# Altium PCB StEth32_modLED.PcbDoc
Units mil, origin at the board's own origin, x right, y up, seen from the top; angles counter-clockwise.
Board outline 3937.01 x 3937.01 mil, 2 copper layers (Top Layer, Bottom Layer), stack 62.17 mil thick; 83 components, 67 nets, 324 pads, 84 vias.
Unrouted connection lines stored in the file: 62.
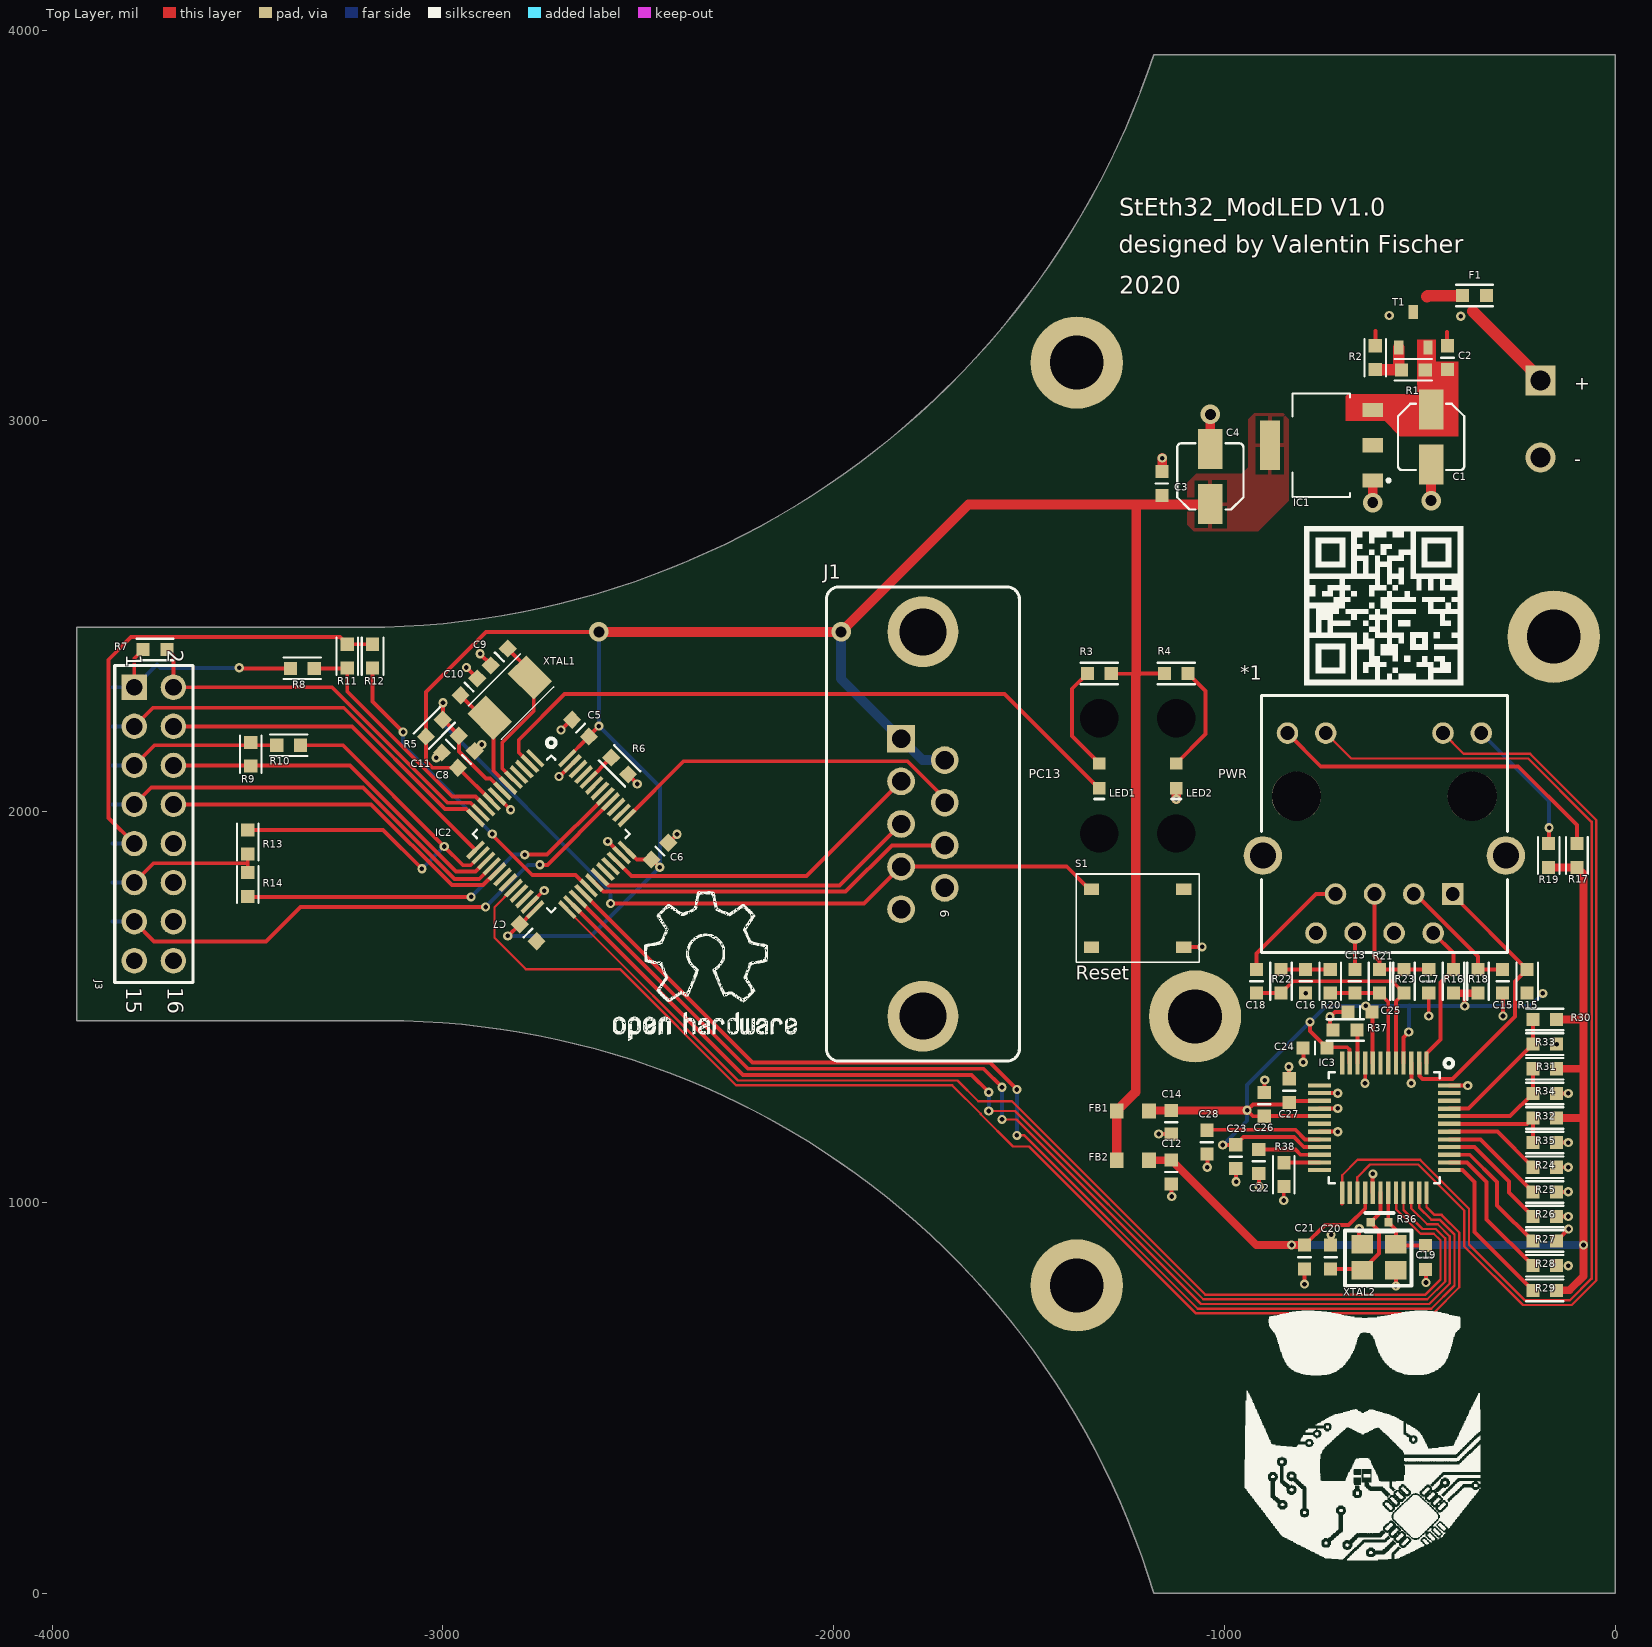
[diagram p0: Top Layer view]
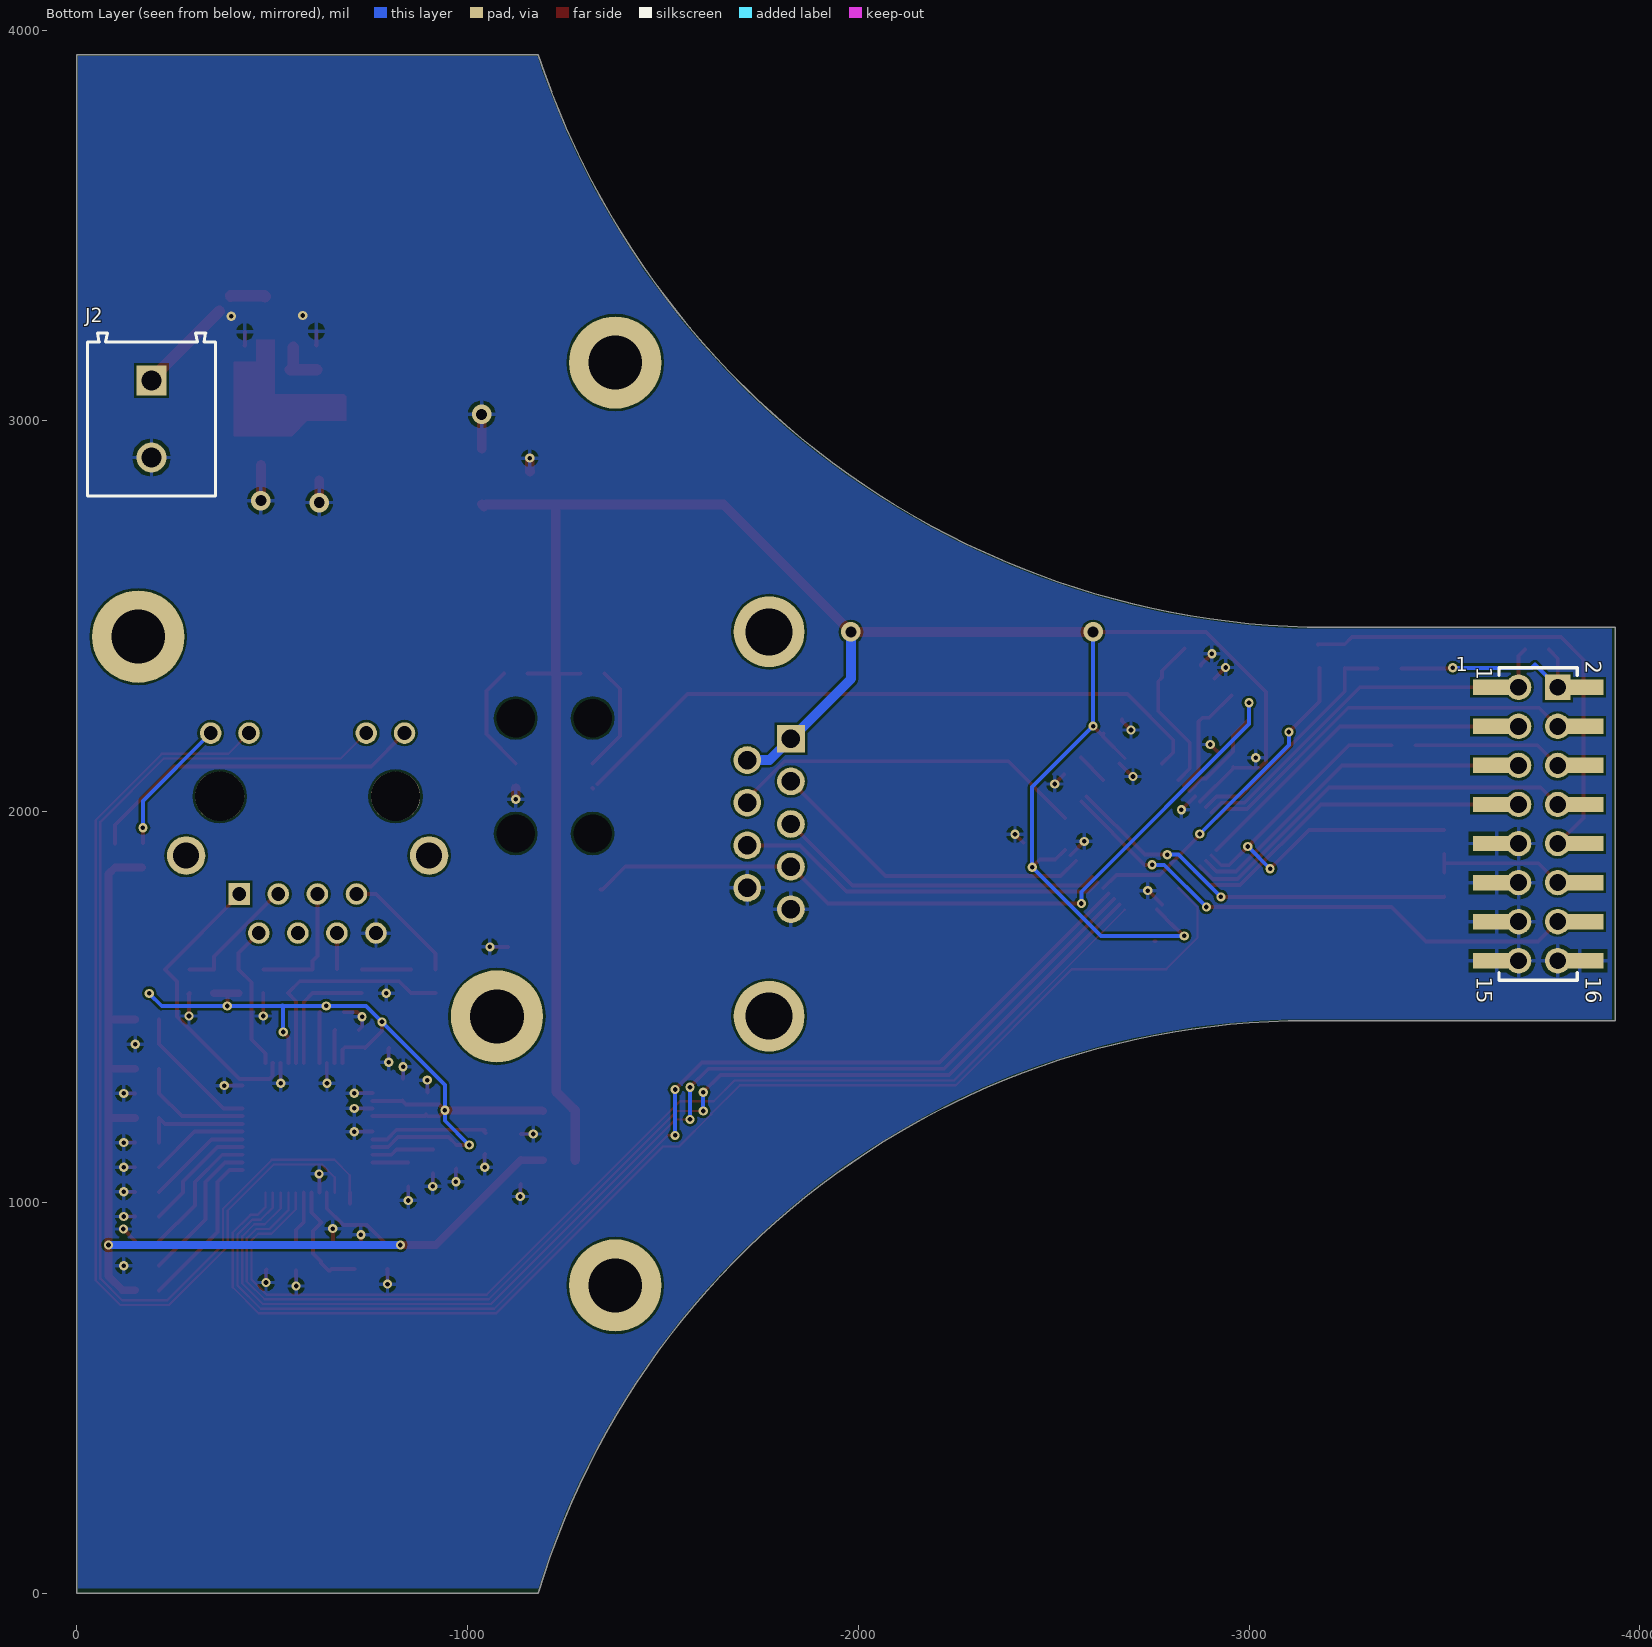
[diagram p1: Bottom Layer view, seen from below]
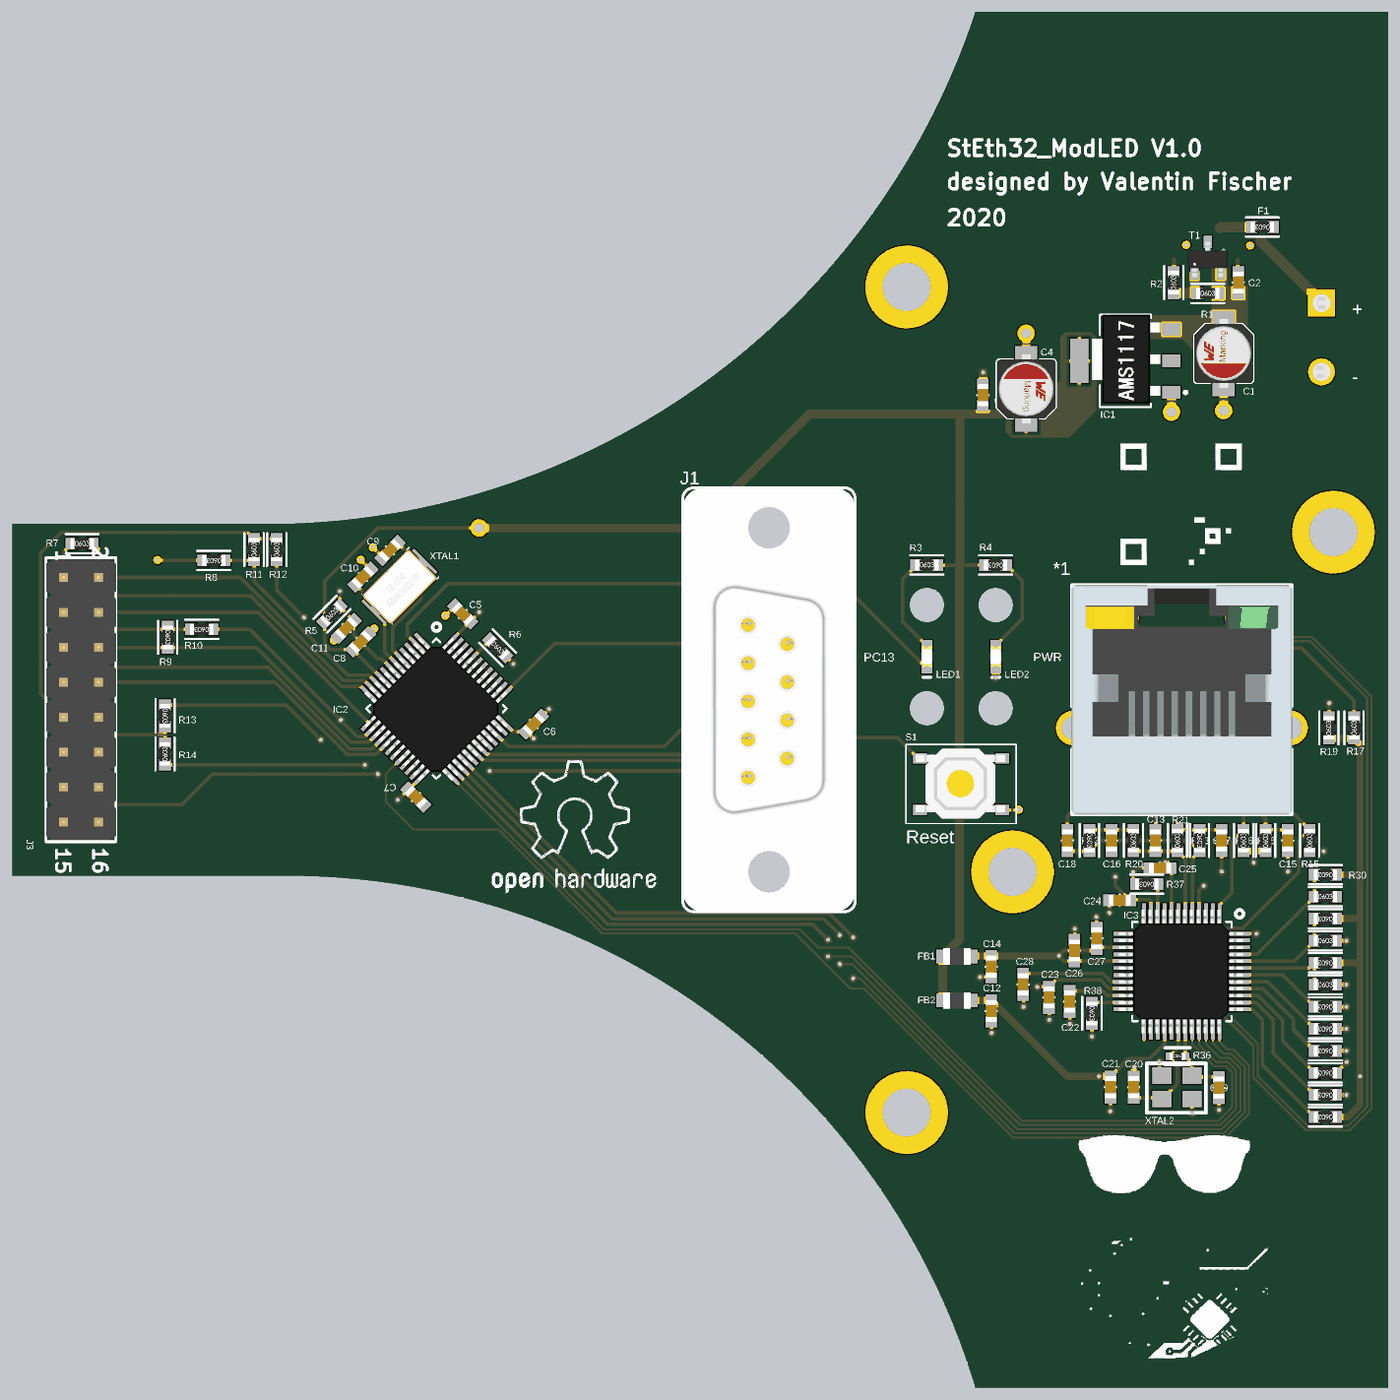
[diagram p2: 3D render of the assembled board from above, using the file's embedded part models]

## Layer stack, top to bottom
Top Solder: solder mask 0.4, Solder Resist, Dk 3.5
Top Layer: signal copper 1.4
Dielectric 1: dielectric 59.3701, FR-4, Dk 4.8
Bottom Layer: signal copper 1.4
Bottom Solder: solder mask 0.4, Solder Resist, Dk 3.5

## Board outline
-3937.01,1464.96 -3937.01,2472.05 -3149.61,2472.05 ccw(c-3208.01,4605.57) -1181.1,3937.01 0,3937.01 0,0 -1181.1,0 ccw(c-3149.61,-590.08) -3149.61,1464.96

## Design rules (kind name [scope] priority, off if disabled: settings)
Clearance [All] p1: gap=6 ignorepadtopadclearanceinfootprint=FALSE except(0: Arc-Hole Track-Hole SMDPad-Hole THPad-Hole Via-Hole Fill-Hole Poly-Hole Region-Hole Text-Hole)
MinimumSolderMaskSliver [All] p1: minsoldermaskwidth=3
PolygonConnect [All] p1: connectstyle=Relief reliefconductorwidth=10 reliefentries=4 polygonreliefangle="90 Angle" airgapwidth=10
RoomDefinition StEth32_modLED_Main [InComponentClass('StEth32_modLED_Main')] p1: confinementstyle=ConfineIn formatcopy=TRUE lockcomponents=FALSE outline -5577.26,-1745.25 -3577.26,-1745.25 -3577.26,-745.25 -5577.26,-745.25
RoutingVias [All] p1: holewidth=28 width=50 viastyle="Through Hole" minholewidth=28 minwidth=50 maxholewidth=28 maxwidth=50
SilkToSilkClearance [All] p1: silktosilkclearance=3
SilkToSolderMaskClearance [IsPad] p1: minsilkscreentomaskgap=6 clearancetoexposedcopper=TRUE
SolderMaskExpansion [All] p1: expansion=4
Width [All] p1: maxlimit=100 minlimit=6 preferedwidth=10 minimp=50.000000 maximp=50.000000 favimp=50.000000
27 further rules are at their usual default settings.

## Classes and differential pairs
component class StEth32_modLED_W5500: *1 C9 C13 C14 C15 C16 C19 C22 C25 C28 FB1 FB2 IC3 R9 R10 R11 R12 R13 R14 R15 R18 R19 R20 R22 R25 R26 R28 R29 R31 XTAL2 Y1
component class StEth32_modLED_Main: 1 C1 C2 C3 C5 C7 C9 C19 F1 IC1 IC2 J1 J2 J3 LED1 LED2 R1 R2 R3 R5 R6 R7 R9 R11 R12 R13 R14 R22 R25 S1 T1 XTAL2

## Components (designator, comment, footprint, x,y, rotation, side; value= is the part's Value field where it differs from the comment)
1 "2.54 mm_SMD_Vertical_16 pin" 61001621121 -3740.16,1968.5 r270 bottom
*1 "HY951180A" HY951180A -590.55,1968.5 r0 top locked
C1 "865080140001" WCAP-ASLI_4x5.5 -471,2959.13 r90 top value=22uF
C2 "0.10µF" SMD-0603C -429,3162 r180 top
C3 "0.10µF" SMD-0603C -1160,2840 r180 top
C4 "865080140001" WCAP-ASLI_4x5.5 -1036,2858 r270 top value=22uF
C5 "0.10µF" SMD-0603C -2648,2214 r225 top
C6 "0.10µF" SMD-0603C -2445,1899 r135 top
C7 "0.10µF" SMD-0603C -2782,1690 r45 top
C8 "0.10µF" SMD-0603C -2940,2134 r135 top
C9 "20pF" SMD-0603C -2856,2396 r135 top
C10 "20pF" SMD-0603C -2933.58,2319.42 r315 top
C11 "0.10µF" SMD-0603C -2981,2173 r315 top
C12 "22µF" SMD-0603C -1136,1078 r0 top
C13 "6800pF" SMD-0603C -666,1566 r180 top
C14 "22µF" SMD-0603C -1136,1205 r0 top
C15 "22nF" SMD-0603C -288,1566 r180 top
C16 "0.10µF" SMD-0603C -792,1566 r180 top
C17 "10000pF" SMD-0603C -477,1566 r0 top
C18 "6800pF" SMD-0603C -918,1566 r180 top
C19 "22pF" SMD-0603C -485,859 r180 top
C20 "22pF" SMD-0603C -728,860 r0 top
C21 "22uF" SMD-0603C -795,860 r0 top
C22 "10nF" SMD-0603C -912,1105 r0 top
C23 "0.10µF" SMD-0603C -971,1117 r0 top
C24 "0.10µF" SMD-0603C -768,1395 r270 top
C25 "0.10µF" SMD-0603C -653,1487 r270 top
C26 "0.10µF" SMD-0603C -898,1251 r180 top
C27 "0.10µF" SMD-0603C -834,1286 r180 top
C28 "4.7uF" SMD-0603C -1044.75,1154.24 r0 top
F1 "0R" SMD-0603-RES -360,3321 r90 top
FB1 "600Ohm, 0.2A" "WE-CBF_0805_High Speed" -1234,1234 r0 top
FB2 "600Ohm, 0.2A" "WE-CBF_0805_High Speed" -1234,1108 r0 top
IC1 "AMS1117-5.0" SOT229P700X180-4N -752,2938 r90 top
IC2 "STM32F072C8U6" LQFP-48 -2723,1943 r315 top
IC3 "W5500" LQFP-48 -590.55,1191 r270 top locked
J1 "61800925123" 61800925123 -1771.65,1968.5 r90 top locked
J2 "691213710002" 691213710002 -191,3005 r270 bottom
J3 "2.54 mm_THT_Vertical_16 pin" 61301621121 -3740.16,1968.5 r270 top
LED1 "150060SS75000" 0603_A -1320.06,2091.79 r90 top locked
LED2 "150060SS75000" 0603_A -1123.2,2091.79 r90 top locked
R1 "3k3" SMD-0603-RES -516.49,3131 r270 top
R2 "4.7k" SMD-0603-RES -614,3162 r0 top
R3 "330" SMD-0603-RES -1320.05,2354 r270 top locked
R4 "330" SMD-0603-RES -1123.2,2354 r90 top locked
R5 "10k" SMD-0603-RES -3022,2214 r315 top
R6 "10k" SMD-0603-RES -2548,2117 r225 top
R7 "0" SMD-0603-RES -3737,2415 r270 top
R8 "0" SMD-0603-RES -3360,2367 r90 top
R9 "0" SMD-0603-RES -3492,2147 r180 top
R10 "0" SMD-0603-RES -3395,2170 r90 top
R11 "0" SMD-0603-RES -3245,2398 r0 top
R12 "0" SMD-0603-RES -3180,2398 r0 top
R13 "0" SMD-0603-RES -3499.75,1922.53 r180 top
R14 "0" SMD-0603-RES -3499.75,1813.53 r0 top
R15 "49.9" SMD-0603-RES -225,1566 r0 top
R16 "49.9" SMD-0603-RES -414,1566 r0 top
R17 "330" SMD-0603-RES -98,1888 r0 top
R18 "10" SMD-0603-RES -351,1566 r0 top
R19 "330" SMD-0603-RES -170,1888 r0 top
R20 "49.9" SMD-0603-RES -729,1566 r0 top
R21 "82" SMD-0603-RES -603,1566 r0 top value=49.9
R22 "49.9" SMD-0603-RES -855,1566 r180 top
R23 "82" SMD-0603-RES -540,1566 r180 top value=49.9
R24 "10k" SMD-0603-RES -180,1090 r90 top
R25 "10k" SMD-0603-RES -180,1027 r90 top
R26 "10k" SMD-0603-RES -180,964 r90 top
R27 "10k" SMD-0603-RES -180,901 r90 top
R28 "10k" SMD-0603-RES -180,838 r90 top
R29 "10k" SMD-0603-RES -180,775 r90 top
R30 "10k" SMD-0603-RES -180,1468 r90 top
R31 "10k" SMD-0603-RES -180,1342 r90 top
R32 "10k" SMD-0603-RES -180,1216 r90 top
R33 "10k" SMD-0603-RES -180,1405 r270 top
R34 "10k" SMD-0603-RES -180,1279 r270 top
R35 "10k" SMD-0603-RES -180,1153 r270 top
R36 "1M" SMD-0402-RES -603,949 r90 top
R37 "12k4" SMD-0603-RES -691,1441 r90 top
R38 "10k" SMD-0603-RES -848,1071 r180 top
S1 "Button" Button5050 -1104,1653.54 r180 top locked
T1 "AO3401" SOT23 -516.6,3233.28 r180 top
XTAL1 "Crystal 5032" 5032 -2829,2292 r225 top
XTAL2 "Crystal" 3225 -561,826.07 r180 top

## Footprints (in the part's own frame and the unit in brackets; to place one, negate y for a bottom-side part, rotate by r counter-clockwise, add the part's x,y. Pads: shape width x height; smd on the part's side, far side on the other; paste and mask are expansions set on the pad)
0603_A [mm] "Chip LED, 2-Leads, Body 1.6x0.8mm, IPC Medium Density"
  rect 0.8x0.8 smd: 1(-0.8,0) 2(0.8,0)
  silkscreen extent -1.5,-0.3 -1.5,0.3, body extent -0.8,-0.4 0.8,0.4, height 0.68
3225 [mm] "Quarz 3225"
  rect 1.4x1.2 smd: 1(0,-1.7) 2(2.2,-1.7) 3(2.2,0) 4(0,0)
  silkscreen extent -1,-2.6 3.3,1
5032 [mm]
  rect 1.7x2.4 smd: 1(-1.85,0) 2(1.85,0)
  silkscreen extent -2.5,-1.52 2.29,1.52, body extent -2.5,-1.6 2.5,1.6, height 1.31
61001621121 [mm] "Pin Header, pitch 2.54 mm, SMD, Vertical, dual row, 16p"
  rect 1x3.1 smd: 1(-8.89,-2.7) 2(-8.89,2.7) 3(-6.35,-2.7) 4(-6.35,2.7) 5(-3.81,-2.7) 6(-3.81,2.7) 7(-1.27,-2.7) 8(-1.27,2.7) 9(1.27,-2.7) 10(1.27,2.7) 11(3.81,-2.7) 12(3.81,2.7) 13(6.35,-2.7) 14(6.35,2.7) 15(8.89,-2.7) 16(8.89,2.7)
  silkscreen extent -10.16,-2.54 10.16,2.54, body extent -10.16,-3.75 10.16,3.75, height 9.62
61301621121 [mm] "Pin Header, pitch 2.54 mm, THT, Vertical, dual row, 16p"
  rect 1.65x1.65 hole 1.1: 1(-8.89,-1.27)
  round 1.65 hole 1.1: 2(-8.89,1.27) 3(-6.35,-1.27) 4(-6.35,1.27) 5(-3.81,-1.27) 6(-3.81,1.27) 7(-1.27,-1.27) 8(-1.27,1.27) 9(1.27,-1.27) 10(1.27,1.27) 11(3.81,-1.27) 12(3.81,1.27) 13(6.35,-1.27) 14(6.35,1.27) 15(8.89,-1.27) 16(8.89,1.27)
  silkscreen extent -10.31,-2.54 10.31,2.54, body extent -10.16,-2.54 10.16,2.54, height 8.59
61800925123 [mm] "9 pins, straight"
  rect 1.8x1.8 hole 1.2: 1(5.54,1.42)
  round 1.8 hole 1.2: 2(2.77,1.42) 3(0,1.42) 4(-2.77,1.42) 5(-5.54,1.42) 6(4.155,-1.42) 7(1.385,-1.42) 8(-1.385,-1.42) 9(-4.155,-1.42)
  round 4.6 hole 3.05: M1(-12.495,0) M2(12.495,0)
  silkscreen extent -15.41,-6.27 15.41,6.27, body extent -15.4,-6.27 15.4,6.27, height 12.95
691213710002 [mm] "5,00mm - modular - green - Horizontal entry with rising cage clamp -  10,0mm height - 02p"
  rect 1.95x1.95 hole 1.3: 1(-2.5,0)
  round 1.95 hole 1.3: 2(2.5,0)
  silkscreen extent -5.6,-4.15 5,4.15, body extent -5.6,-4.15 5,4.15, height 10.05
Button5050 [mm]
  rect 1x0.75 smd: 1(0,0) 2(6,-3.75) 3(0,-3.75) 4(6,0)
  silkscreen extent -1,-4.75 7,1, body extent -0.2,-4.44 6.3,0.64, height 1.52
HY951180A [mm] "Ethernet Connector"
  rect 1.4x1.4 hole 0.9: 1(4.445,-4.55)
  round 1.4 hole 0.9: 2(3.175,-7.09) 3(1.905,-4.55) 4(0.635,-7.09) 5(-0.635,-4.55) 6(-1.905,-7.09) 7(-3.175,-4.55) 8(-4.445,-7.09) 9(6.3,5.91) 10(3.81,5.91) 11(-3.81,5.91) 12(-6.3,5.91)
  round 3.2 hole 3.2 unplated: MH1(5.715,1.8) MH2(-5.715,1.8)
  round 2.5 hole 1.7: S1(7.9,-2.05) S2(-7.9,-2.05)
  silkscreen extent -8,-8.35 8,8.35, body extent -8.03,-8.35 8.03,8.35, height 16.57
LQFP-48 [mil] "LQFP 48 Pins"
  rect 58x11 smd: 1(-166,108) 2(-166,89) 3(-166,69) 4(-166,49) 5(-166,30) 6(-166,10) 7(-166,-10) 8(-166,-30) 9(-166,-49) 10(-166,-69) 11(-166,-89) 12(-166,-108) 25(166,-108) 26(166,-89) 27(166,-69) 28(166,-49) 29(166,-30) 30(166,-10) 31(166,10) 32(166,30) 33(166,49) 34(166,69) 35(166,89) 36(166,108)
  rect 11x58 smd: 13(-108,-166) 14(-89,-166) 15(-69,-166) 16(-49,-166) 17(-30,-166) 18(-10,-166) 19(10,-166) 20(30,-166) 21(49,-166) 22(69,-166) 23(89,-166) 24(108,-166) 37(108,166) 38(89,166) 39(69,166) 40(49,166) 41(30,166) 42(10,166) 43(-10,166) 44(-30,166) 45(-49,166) 46(-69,166) 47(-89,166) 48(-108,166)
  silkscreen extent -176,-142 142,176, body extent -177,-180 177,175, height 58
SMD-0402-RES [mm]
  rect 0.55x0.55 smd: 1(0,0.584) 2(0,-0.584)
  silkscreen extent -0.6,-0.9 0.6,0.9, body extent -0.28,-0.57 0.27,0.58, height 0.41
SMD-0603-RES [mm]
  rect 0.85x0.85 smd: 1(0,0.775) 2(0,-0.775)
  silkscreen extent -0.7,-1.2 0.7,1.2, body extent -0.4,-0.85 0.4,0.85, height 0.56
SMD-0603C [mm]
  rect 0.85x0.85 smd: 1(0,0.775) 2(0,-0.775)
  silkscreen extent -0.4,0 0.4,0, body extent -0.4,-0.8 0.4,0.8, height 0.9
SOT23 [mm]
  rect 0.6x0.9 smd: D(0,-1.15) G(0.95,1.15) S(-0.95,1.15)
  body extent -1.45,-1.17 1.45,1.43, height 1
SOT229P700X180-4N [mm]
  rect 0.93x1.31 smd: 1(-2.29,-3.345) 2(0,-3.345) 3(2.29,-3.345)
  rect 3.24x1.31 smd: 2(0,3.345)
  silkscreen extent -3.36,-4.47 3.36,1.86, body extent -3.12,-3.56 3.38,3.44, height 0.85
WCAP-ASLI_4x5.5 [mm] "Aluminium Electrolytic V-Chip SMT Capacitors, §¶4x5.5mm"
  rect 2.6x1.6 smd: 1(1.8,0) 2(-1.8,0)
  silkscreen extent -2.15,-2.15 2.15,2.15, body extent -2.5,-2.15 2.5,2.15, height 5.5
"WE-CBF_0805_High Speed" [mm] "SMD EMI Suppression Ferrite  Bead, body 2x1.2mm"
  rect 0.9x1 smd: 1(-1.05,0) 2(1.05,0)
  body extent -1,-0.6 1,0.6, height 0.9

## Part data
1: library part 61001621121, "Pin Header WR-PHD, pitch 2.54 mm, SMD, Vertical, dual row, 16 pin", Contact Resistance="20 mOhm", Insulation Resistance=">1000 MOhm", Operating Temperature="-40 to 105 degC", Rated Current="3 A", Working Voltage="250 VAC", ComponentLink1Description=Manufacturer, ComponentLink1URL=http://www.we-online.de, ComponentLink2Description=Datasheet, ComponentLink2URL=http://katalog.we-online.de/em/datasheet/6100xx21121.pdf, Mounting Technology=SMD, Orientation=Vertical, Part Number=61001621121, Pin Number=16, Pitch="2.54 mm", Published Date="Jan. 2018", Publisher="Wurth Elektronik", Row Number=Dual
C1 C4: "WCAP-ASLI Aluminum Electrolytic Capacitors, size ?4x5.5mm, 6.3V DC, 22uF", Operating Temperature="-55 °C up to +105 °C", Rated Voltage="6.3V DC", ComponentLink1Description=Manufacturer, ComponentLink1URL=http://www.we-online.de, ComponentLink2Description=Datasheet, ComponentLink2URL=http://katalog.we-online.de/pbs/datasheet/865080140001.pdf, Life Cycle=2000h, Part Number=865080140001, Published Date="June 2017", Publisher="Wurth Elektronik", Size=?4x5.5mm
C2 C3 C5 C6 C7 C8 C9 C10 C11 C23 C24 C25 C26 C27: library part GCM188R71C104KA37J, "CAP CER 0.1UF 16V X7R 0603", Digi-Key Part Number=490-8015-1-ND, Manufacturer="Murata Electronics North America", Operating Temperature="-55°C ~ 125°C", Package / Case="0603 (1608 Metric)", Ratings=AEC-Q200, Temperature Coefficient=X7R, Tolerance=±10%, Voltage=16V, @ qty=0, Applications=Automotive, Datasheets=http://www.murata.com/~/media/webrenewal/support/library/catalog/products/capacitor/mlcc/c03e.ashx, Factory Stock=0, Features=-, Height - Seated (Max)=-, Image=//media.digikey.com/Renders/Murata%20Renders/0603%28GCM188%29.jpg, Lead Spacing=-, Lead Style=-, Minimum Quantity=1, Mounting Type="Surface Mount, MLCC", Packaging="Cut Tape (CT)", Part Number=GCM188R71C104KA37J, Part Status=Active, Quantity Available=17844, Series=GCM, Size / Dimension="0.063\" L x 0.031\" W (1.60mm x 0.80mm)", Thickness (Max)="0.035\" (0.90mm)", Unit Price (USD)=0.18
C12 C14: library part ZRB186R60G226ME11L, "CAP CER 22UF 4V X5R 0603", Digi-Key Part Number=490-13253-1-ND, Manufacturer="Murata Electronics North America", Operating Temperature="-55°C ~ 85°C", Package / Case="0603 (1608 Metric)", Ratings=-, Temperature Coefficient=X5R, Tolerance=±20%, Voltage=4V, @ qty=0, Applications="Acoustic Noise Reduction", Datasheets=http://psearch.en.murata.com/capacitor/product/ZRB186R60G226ME11%23.pdf, Factory Stock=0, Features="Interposer Termination", Height - Seated (Max)=-, Image=//media.digikey.com/Renders/Murata%20Renders/0603%20(1608%20Metric).jpg, Lead Spacing=-, Lead Style=-, Minimum Quantity=1, Mounting Type="Surface Mount, MLCC", Packaging="Cut Tape (CT)", Part Number=ZRB186R60G226ME11L, Part Status=Active, Quantity Available=3925, Series=ZRB, Size / Dimension="0.063\" L x 0.031\" W (1.60mm x 0.80mm)", Thickness (Max)="0.031\" (0.80mm)", Unit Price (USD)=0.36
C13 C18: library part GCM188R71H682KA37D, "CAP CER 6800PF 50V X7R 0603", Digi-Key Part Number=490-6055-1-ND, Manufacturer="Murata Electronics North America", Operating Temperature="-55°C ~ 125°C", Package / Case="0603 (1608 Metric)", Ratings=AEC-Q200, Temperature Coefficient=X7R, Tolerance=±10%, Voltage=50V, @ qty=0, Applications=Automotive, Datasheets=http://www.murata.com/~/media/webrenewal/support/library/catalog/products/capacitor/mlcc/c03e.ashx, Factory Stock=0, Features=-, Height - Seated (Max)=-, Image=//media.digikey.com/Renders/Murata%20Renders/0603%28GCM188%29.jpg, Lead Spacing=-, Lead Style=-, Minimum Quantity=1, Mounting Type="Surface Mount, MLCC", Packaging="Cut Tape (CT)", Part Number=GCM188R71H682KA37D, Part Status=Active, Quantity Available=31753, Series=GCM, Size / Dimension="0.063\" L x 0.031\" W (1.60mm x 0.80mm)", Thickness (Max)="0.035\" (0.90mm)", Unit Price (USD)=0.1
C15 C19 C20: library part GCM188R72A223KA37D, "CAP CER 0.022UF 100V X7R 0603", Digi-Key Part Number=490-4782-1-ND, Manufacturer="Murata Electronics North America", Operating Temperature="-55°C ~ 125°C", Package / Case="0603 (1608 Metric)", Ratings=AEC-Q200, Temperature Coefficient=X7R, Tolerance=±10%, Voltage=100V, @ qty=0, Applications=Automotive, Datasheets=http://www.murata.com/~/media/webrenewal/support/library/catalog/products/capacitor/mlcc/c03e.ashx, Factory Stock=0, Features=-, Height - Seated (Max)=-, Image=//media.digikey.com/Renders/Murata%20Renders/0603%28GCM188%29.jpg, Lead Spacing=-, Lead Style=-, Minimum Quantity=1, Mounting Type="Surface Mount, MLCC", Packaging="Cut Tape (CT)", Part Number=GCM188R72A223KA37D, Part Status=Active, Quantity Available=102005, Series=GCM, Size / Dimension="0.063\" L x 0.031\" W (1.60mm x 0.80mm)", Thickness (Max)="0.035\" (0.90mm)", Unit Price (USD)=0.11